# Allegro board 6089-103-RevA_73.brd (continued)
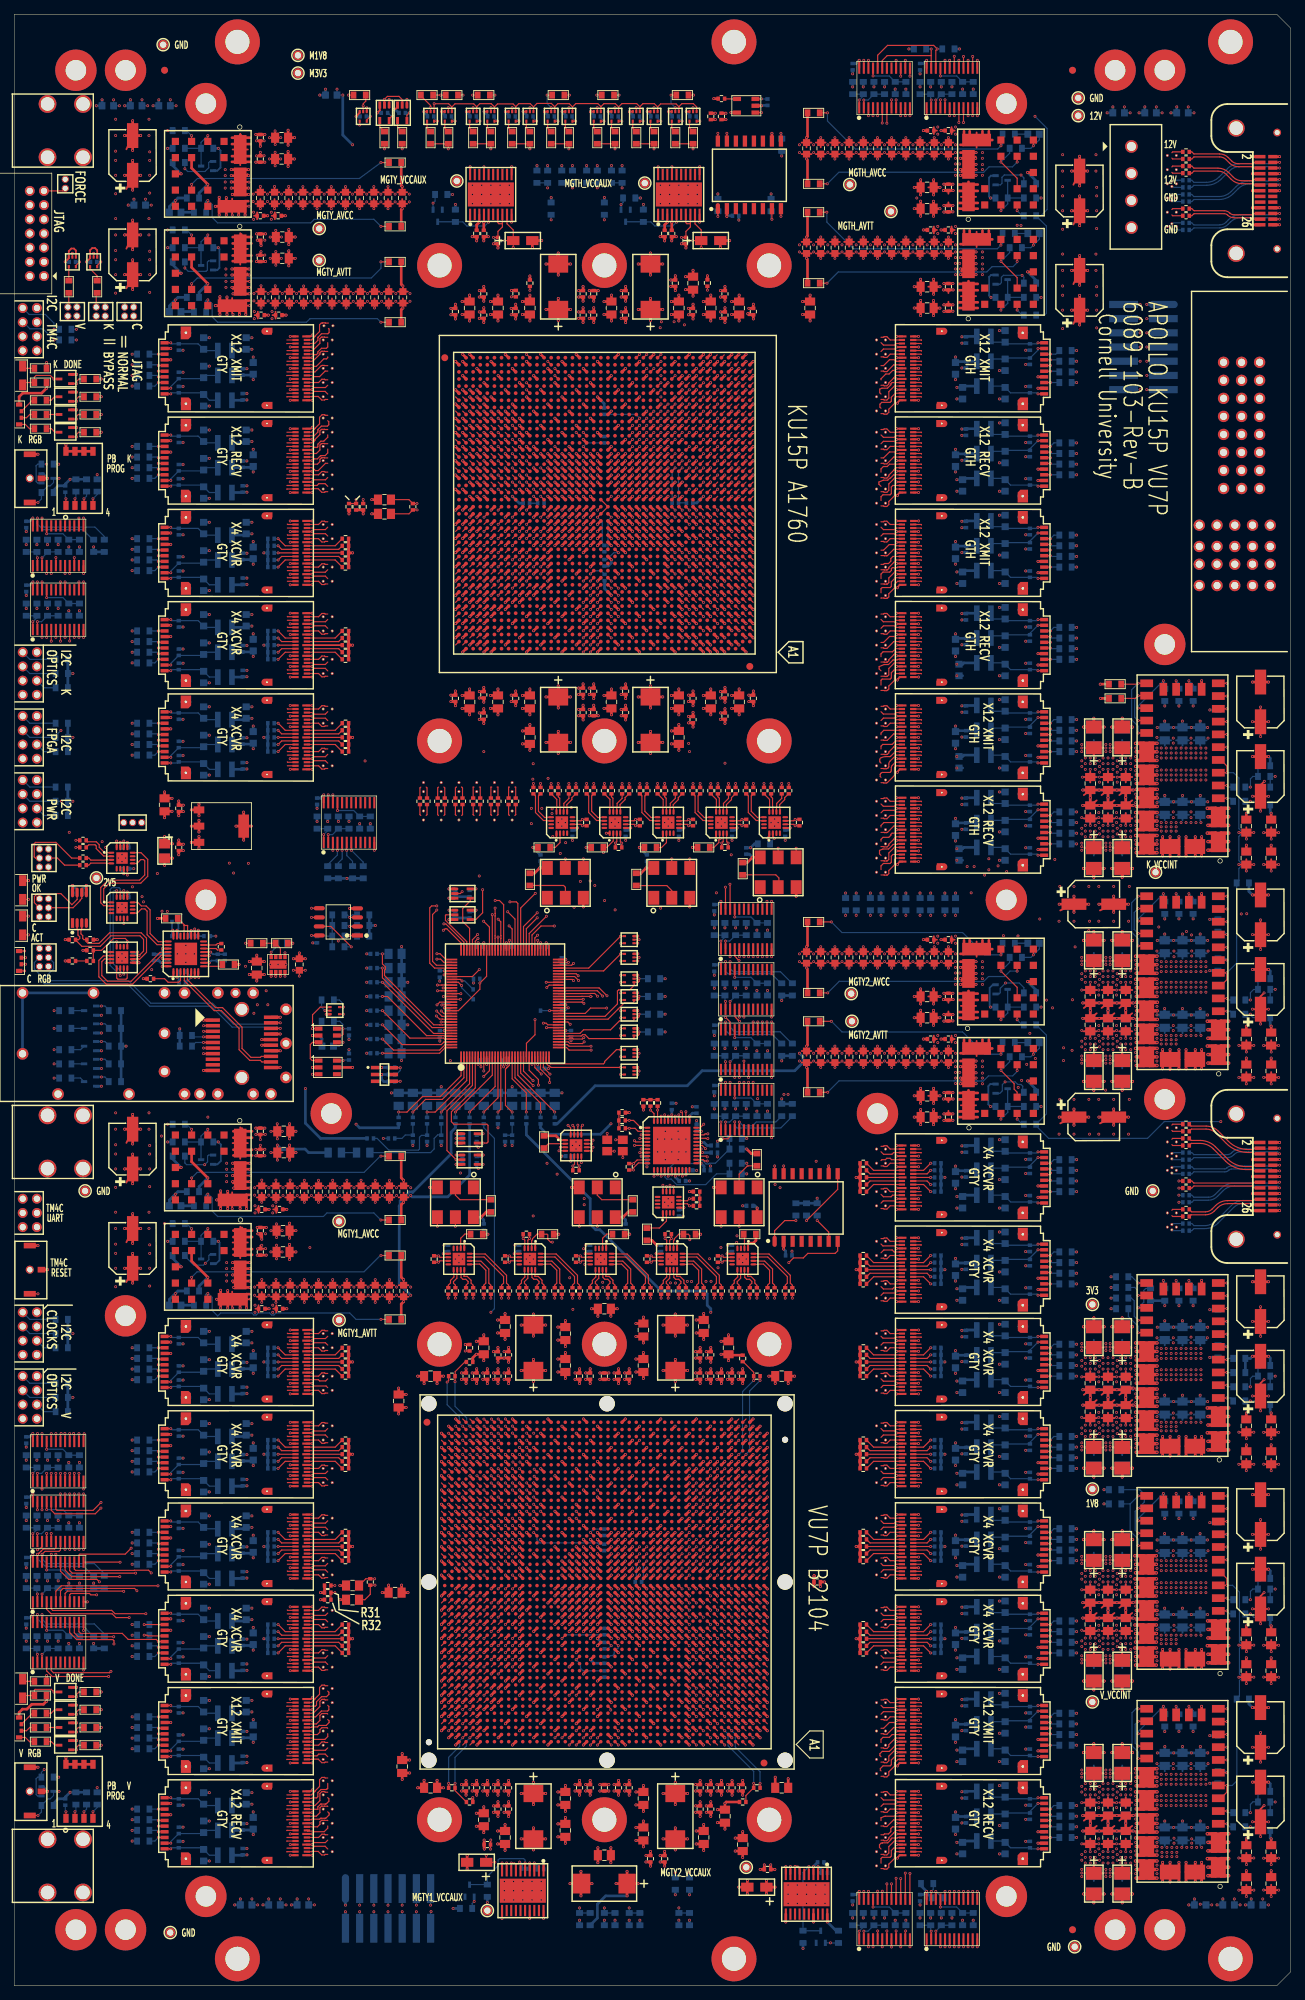
[diagram p0: board, top side]
## Routing (per net, layer and track width the routed paths; a pad name or vN(x,y) marks a point on that pad's centre or on a via; arc(x,y) is an arc through that point) (continued)
K_MGTH_AVTT_OK: length 154.4
  TOP w0.165: U52.74 71.8,149.25 v1(73.73,151.19) ; U119.9 v1(141.39,236.11)
  SIG1 w0.079: v1(141.39,236.11) 141.3,236.11 137.9,232.71 137.9,158.6 137.6,158.3 136.7,158.3 136.1,157.7 v1(135.32,157.7)
  SIG2 w0.079: v1(73.73,151.19) 98.51,151.19 99.31,151.99 129.62,151.99 131.25,153.63 131.34,153.63 131.54,153.83 131.54,153.92 v1(135.32,157.7)
  BOTTOM w0.165: R318.2 142.1,235.4 v1(141.39,236.11)
K_MGTH_VCCAUX: length 102.1
  TOP w0.165: U85.7 94.67,248.44 94.84,248.28 95.3,248.28 95.33,248.25 ; C261.1 96.85,247.39 95.97,248.27 U85.9 ; C261.1 v1(95.65,245.9) ; C261.1 v1(96.85,244.93) ; 95.33,248.25 U85.8 ; 95.33,248.25 95.33,247.82 94.7,247.2 C243.1 v1(94.06,246.35)
  TOP w0.381: v1(95.7,234.87) C246.1 v1(95.06,235.45) ; U65.T12 v1(93.17,202.93) ; U65.U10 v1(95.17,203.93) ; U65.AE10 v1(95.17,212.87) ; v1(95.7,182.43) C247.1 v1(95.06,181.85) ; U65.AD12 v1(93.17,211.87)
  SIG1 w0.15: v1(94.06,246.35) 94,246.41 94,249 93.2,249.8 91.2,249.8 88.9,252.1 PM10.1 ; v1(49.69,141.4) 48.66,142.43 48.66,158.46 55,164.8 55,165.4 56.8,167.2 92.69,167.2 94.77,169.28 94.77,173.47 v1(95.2,173.9)
  BOTTOM w0.381: R512.1 v1(49.69,141.4)
K_MGTY_AVCC: length 131.9
  TOP w0.165: U65.R32 v1(72.23,201.93) ; U65.T30 v1(74.23,202.93) ; C85.1 v1(54.7,250.4) ; U65.Y30 v1(74.23,206.93) ; U65.M30 v1(74.23,198.93) ; U65.AA32 v1(72.23,207.93) ; U65.U32 v1(72.23,203.93) ; U65.AE32 v1(72.23,212.87) ; U65.AG32 v1(72.23,214.87) ; U65.W32 v1(72.23,205.93) ; U65.AF30 v1(74.23,213.87) ; U65.L32 v1(72.23,197.93) ; U65.V30 v1(74.23,204.93)
  TOP w0.254: 42.01,251.09 C57.1 ; C57.1 42.7,250.43 ; C57.1 42.7,251.75 ; C57.1 43.39,251.09 ; C48.1 39.39,251.09 ; C48.1 38.01,251.09 ; C48.1 38.7,250.43 ; C48.1 38.7,251.75 ; 36.01,251.09 C32.1 ; C32.1 36.7,250.43 ; C32.1 37.39,251.09 ; C32.1 36.7,251.75 ; 33.82,249.4 C19.1 ; C19.1 34.25,249.88 ; C19.1 34.25,248.92 ; C18.1 34.7,251.75 ; C18.1 35.39,251.09 ; C18.1 34.01,251.09 ; C18.1 34.7,250.43 ; 52.01,251.09 C79.1 ; C79.1 53.39,251.09 ; C79.1 52.7,250.43 ; C79.1 52.7,251.75 ; 50.7,250.43 C74.1 ; C74.1 50.7,251.75 ; C74.1 50.01,251.09 ; C74.1 51.39,251.09 ; 54.01,251.09 C85.1 ; C85.1 54.7,251.75 ; C85.1 55.39,251.09 ; 46.01,251.09 C65.1 ; C65.1 47.39,251.09 ; C65.1 46.7,251.75 ; C65.1 46.7,250.43 ; 30.73,249.66 U15.3 30.73,251.8 ; 44.7,250.43 C61.1 ; C61.1 44.7,251.75 ; C61.1 45.39,251.09 ; C61.1 44.01,251.09 ; C53.1 40.7,251.75 ; C53.1 40.7,250.43 ; C53.1 41.39,251.09 ; C53.1 40.01,251.09 ; C36.1 36.75,249.88 ; C36.1 36.32,249.4 ; C36.1 36.75,248.92 ; 32.94,250.73 32.55,250.73 ; C69.1 49.39,251.09 ; C69.1 48.7,250.43 ; C69.1 48.7,251.75 ; C69.1 48.01,251.09
  TOP w0.381: v1(79.56,237.95) C177.1 v1(80.2,237.37) ; 31.65,250.73 U15.3 29.9,250.73 ; 31.65,250.73 32.55,250.73 ; 31.65,250.73 v1(31.65,249.5) ; 28.9,250.73 v1(28.35,250.73) ; 28.9,250.73 v1(28.9,252) ; 28.9,250.73 v1(28.9,249.5) ; 28.9,250.73 29.9,250.73 ; 29.9,250.73 v1(29.9,249.5) ; 29.9,250.73 v1(29.9,251.95) ; R74.2 54.56,250.26 v1(54.7,250.4) ; v1(81.7,237.37) C185.1 v1(81.06,237.95) ; v1(81.7,180.43) C188.1 v1(81.06,179.85) ; v1(72.7,234.58) C152.1 v1(71.65,235.49) ; v1(80.2,180.43) C180.1 v1(79.56,179.85) ; v1(72.7,177.72) C154.1 v1(71.65,176.81) ; 32.55,250.73 v1(32.55,249.5) ; 32.55,250.73 32.55,251.45 33,251.45
  SIG1 w0.15: v1(49.69,133.4) 49.7,133.4 50.67,134.37 50.67,135.47 48.39,137.75 48.39,158.79 54.5,164.9 54.5,165.6 56.5,167.6 73,167.6 74.67,169.28 74.67,170.69 v1(73.17,172.19)
  SIG4 w0.381: PM6.1 43,250.1 v1(42.7,250.4)
  BOTTOM w0.381: R516.1 v1(49.69,133.4)
  vias: v1(30.75,249.5) v1(33.1,250.75) v1(33.7,251.4) v1(33.75,249.9) v1(33.75,248.9) v1(34.7,250.4) v1(35.7,251.4) v1(36.25,249.9) v1(36.25,248.9) v1(36.7,250.4) v1(37.7,251.35) v1(38.7,250.4) v1(39.7,251.35) v1(40.7,250.4) v1(41.7,251.35) v1(43.7,251.35) v1(44.7,250.4) v1(45.7,251.35) v1(46.7,250.4) v1(47.7,251.35) v1(48.7,250.4) v1(49.7,251.35) v1(50.7,250.4) v1(51.7,251.35) v1(52.7,250.4) v1(53.7,251.35) v1(55.7,251.35)
K_MGTY_AVCC_OK: length 155.2
  TOP w0.165: U52.76 71,152.51 70.78,152.72 v1(69.89,152.72) ; U15.9 v1(25.01,260.69)
  SIG2 w0.079: v1(69.89,152.72) 69.3,153.31 67.1,153.31 66.68,152.9 53.63,152.9 52.52,154.01 47.39,154.01 43.24,158.16 v1(33.02,158.16)
  SIG4 w0.079: v1(33.02,158.16) 31.61,159.56 31.61,232.09 26.7,237 26.7,249.59 26.34,249.94 26.34,259.35 v1(25.01,260.69)
  BOTTOM w0.165: v1(25.01,260.69) 24.3,261.4 R589.2
K_MGTY_AVTT: length 130.6
  TOP w0.165: U65.AL36 v1(68.23,218.87) ; U65.V34 v1(70.23,204.93) ; U65.P34 v1(70.23,200.93) ; U65.M34 v1(70.23,198.93) ; U65.L36 v1(68.23,197.93) ; U65.AK34 v1(70.23,217.87) ; U65.AD34 v1(70.23,211.87) ; C87.1 v1(54.8,236.4) ; U65.V38 v1(66.23,204.93) ; U65.AG36 v1(68.23,214.87) ; U65.T34 v1(70.23,202.93) ; U65.AF34 v1(70.23,213.87) ; U65.T38 v1(66.23,202.93) ; U65.AC36 v1(68.23,210.87) ; U65.AH34 v1(70.23,215.87) ; U65.R36 v1(68.23,201.93) ; U65.U36 v1(68.23,203.93) ; U65.Y34 v1(70.23,206.93) ; U65.N36 v1(68.23,199.93) ; U65.AE36 v1(68.23,212.87) ; U65.AJ36 v1(68.23,216.87) ; U65.K34 v1(70.23,196.93) ; U65.J36 v1(68.23,195.93) ; U65.W36 v1(68.23,205.93) ; U65.AM34 v1(70.23,219.87) ; U65.AA36 v1(68.23,207.93) ; U65.AB34 v1(70.23,209.87) ; U65.Y38 v1(66.23,206.93) ; U65.AN36 v1(68.23,220.87)
  TOP w0.254: 54.11,237.09 C87.1 ; C87.1 55.49,237.09 ; C87.1 54.8,237.75 ; 30.73,237.8 U16.3 30.73,235.66 ; C58.1 42.8,237.75 ; C58.1 42.8,236.43 ; C58.1 43.49,237.09 ; C58.1 42.11,237.09 ; C49.1 39.49,237.09 ; C49.1 38.11,237.09 ; C49.1 38.8,236.43 ; C49.1 38.8,237.75 ; 46.8,236.43 C66.1 ; C66.1 46.11,237.09 ; C66.1 47.49,237.09 ; C66.1 46.8,237.75 ; 36.8,236.43 C33.1 ; C33.1 36.8,237.75 ; C33.1 36.11,237.09 ; C33.1 37.49,237.09 ; C75.1 51.49,237.09 ; C75.1 50.8,237.75 ; C75.1 50.11,237.09 ; C75.1 50.8,236.43 ; C70.1 48.8,237.75 ; C70.1 48.11,237.09 ; C70.1 48.8,236.43 ; C70.1 49.49,237.09 ; C62.1 45.49,237.09 ; C62.1 44.11,237.09 ; C62.1 44.8,237.75 ; C62.1 44.8,236.43 ; 52.8,236.43 C80.1 ; C80.1 52.8,237.75 ; C80.1 53.49,237.09 ; C80.1 52.11,237.09 ; C26.1 34.8,237.75 ; C26.1 35.49,237.09 ; C26.1 34.11,237.09 ; C26.1 34.8,236.43 ; C27.1 34.35,235.88 ; C27.1 34.35,234.92 ; C27.1 33.92,235.4 ; 33.03,236.73 32.65,236.73 ; C54.1 41.49,237.09 ; C54.1 40.8,237.75 ; C54.1 40.11,237.09 ; C54.1 40.8,236.43 ; C37.1 36.85,235.88 ; C37.1 36.85,234.92 ; C37.1 36.42,235.4
  TOP w0.381: v1(64.2,182.72) C108.1 v1(63.15,181.81) ; v1(32.65,235.5) 32.65,236.73 ; 32.65,236.73 32.65,237.45 33.1,237.45 ; 32.65,236.73 31.75,236.73 ; v1(54.8,236.4) 54.56,236.16 R76.2 ; 30,236.73 v1(30,235.5) ; 30,236.73 v1(30,237.95) ; 30,236.73 29,236.73 ; 30,236.73 U16.3 31.75,236.73 ; v1(61.56,235.45) C99.1 v1(62.2,234.87) ; v1(62.2,182.43) C100.1 v1(61.56,181.85) ; 31.75,236.73 v1(31.75,235.5) ; v1(66.2,182.93) C119.1 v1(65.56,182.35) ; 29,236.73 v1(29,235.5) ; 29,236.73 v1(28.45,236.73) v1(28.35,236.73) ; 29,236.73 v1(29,238) ; v1(66.2,234.37) C118.1 v1(65.56,234.95) ; v1(64.2,234.58) C107.1 v1(63.15,235.49)
  SIG1 w0.15: v1(49.46,172.58) 49.46,161.06 46.41,158.02 46.41,140.63 47.63,139.42 47.63,133.47 v1(49.69,131.4)
  SIG4 w0.381: v1(43.8,237.35) 42.1,239.05 42.1,239.8 43,240.7 PM2.1
  BOTTOM w0.381: v1(70.23,209.87) 71.2,208.9 R489.2 ; R517.1 v1(49.69,131.4)
  vias: v1(30.85,235.5) v1(33.2,236.75) v1(33.8,237.4) v1(33.85,235.9) v1(33.85,234.9) v1(34.8,236.4) v1(35.8,237.4) v1(36.35,235.9) v1(36.35,234.9) v1(36.8,236.4) v1(37.8,237.35) v1(38.8,236.4) v1(39.8,237.35) v1(40.8,236.4) v1(41.8,237.35) v1(42.8,236.4) v1(44.8,236.4) v1(45.8,237.35) v1(46.8,236.4) v1(47.8,237.35) v1(48.8,236.4) v1(49.8,237.35) v1(50.8,236.4) v1(51.8,237.35) v1(52.8,236.4) v1(53.8,237.35) v1(55.8,237.35)
K_MGTY_AVTT_OK: length 140.8
  TOP w0.165: U16.9 v1(25.01,246.69) ; v1(69.57,151.33) 70.6,150.3 U52.77
  SIG2 w0.079: v1(69.57,151.33) 65.36,151.33 65.25,151.22 52.29,151.22 50.41,153.09 46.51,153.09 45.23,154.37 34.15,154.37 v1(30.33,158.19)
  SIG4 w0.079: v1(25.01,246.69) 25.01,246.49 25.7,245.79 25.7,235.45 29.3,231.85 29.3,159.22 v1(30.33,158.19)
  BOTTOM w0.165: v1(25.01,246.69) 24.3,247.4 R592.2
K_MGTY_VCCAUX: length 80.4
  TOP w0.165: C150.1 v1(69.15,245.9) ; C150.1 70.35,247.39 69.47,248.27 U51.9 ; C150.1 v1(70.35,244.93) ; 68.83,248.25 68.8,248.28 68.34,248.28 68.17,248.44 U51.7 ; 68.83,248.25 U51.8 ; 68.83,248.25 68.83,247.82 68.2,247.2 C129.1 v1(67.56,246.35)
  TOP w0.381: v1(70.06,235.45) C146.1 v1(70.7,234.87) ; v1(70.06,181.85) C147.1 v1(70.7,182.43) ; U65.P30 v1(74.23,200.93) ; U65.AD30 v1(74.23,211.87) ; U65.N32 v1(72.23,199.93) ; U65.AC32 v1(72.23,210.87)
  SIG1 w0.079: v1(49.69,135.4) 49.58,135.4 48.15,136.84 48.15,153.86 48.15,159.25 52.85,163.96 52.85,164.56 56.14,167.84 65.54,167.84 66.2,168.5 v1(66.2,173.9)
  SIG4 w0.079: v1(67.56,246.35) 65.76,248.15 65.43,248.15 65,248.58 65,249.7 62.4,252.3 PM7.1
  BOTTOM w0.381: R515.1 v1(49.69,135.4)
K_OPTICS_I2C_SCL: length 172.4
  TOP w0.165: 3.92,196.7 v1(3.92,197.8) ; U100.22 v1(120.42,271.3)
  SIG1 w0.079: J3.2 3.2,190.66 3.92,191.38 3.92,197.79 v1(3.92,197.8) 5,197.8 6.8,199.6 6.8,220.54 8.65,222.39 8.89,222.39 16.28,229.78 16.28,230.04 25.14,238.9 36.9,238.9 39.24,241.25 51.42,241.25 63.77,253.59 63.77,254.67 67.3,258.2 99.14,258.2 105.21,264.28 105.61,264.28 111.5,270.17 119.29,270.17 v1(120.42,271.3)
K_OPTICS_I2C_SDA: length 174.7
  TOP w0.165: U100.23 v1(119.78,271.3) ; U2.23 v1(3.27,197.8)
  SIG1 w0.079: J3.4 2.21,186.89 2.21,196.74 v1(3.27,197.8) 3.27,198.57 5.5,200.8 5.5,221.8 25.09,241.39 36.31,241.39 36.63,241.71 48.52,241.71 66.31,259.5 98.43,259.5 109.46,270.53 119,270.53 v1(119.78,271.3)
K_TCK_1V8: length 45.2
  TOP w0.165: U65.AK15 v1(90.17,217.87) ; R123.2 R130.2 v1(90.2,258.83)
  SIG4 w0.079: v1(90.17,217.87) 90.63,218.33 90.63,229.9 90.2,230.33 v1(90.2,258.83)
K_TDI: length 96.2
  TOP w0.165: U65.AJ15 v1(90.17,216.87)
  SIG3 w0.079: 11.56,235.26 13.21,233.62 19.71,233.62 26.62,240.53 55.37,240.53 62.93,232.97 74.61,232.97 81.37,226.22 81.57,226.02 81.57,226.01 86.06,221.52 89.28,221.52 89.54,221.26 89.54,220.64 89.3,220.4 88.88,220.4 88.7,220.22 88.7,217.63 88.88,217.44 89.6,217.44 v1(90.17,216.87)
K_TDO: length 94.6
  TOP w0.165: U65.AK16 v1(89.17,217.87)
  SIG3 w0.079: v1(89.17,217.87) 89.6,218.3 90.46,218.3 90.67,218.51 90.67,220.93 90.1,221.5 90.02,221.5 89.8,221.72 89.8,221.8 88.07,223.53 88.03,223.53 87.83,223.73 87.83,223.77 78.23,233.37 63.03,233.37 54.95,241.45 25.8,241.45 18.67,234.32 13.78,234.32 12.84,235.26
K_TMS_1V8: length 61.5
  TOP w0.165: U65.AJ17 v1(88.17,216.87) ; v1(72.7,258.83) R101.2 R98.2
  SIG4 w0.079: v1(88.17,216.87) 88.3,216.87 88.69,217.26 88.69,249.65 87.11,251.22 87.11,258.05 85.47,259.69 73.57,259.69 v1(72.7,258.83)
K_VCCINT: length 372.5
  TOP w0.254: 153.3,134.49 C408.1 ; C408.1 154.2,135.24 ; C408.1 155.1,134.49 ; C408.1 154.2,133.74 ; C427.1 156.7,141.06 ; C427.1 155.8,140.31 ; C427.1 156.7,139.56 ; C427.1 157.6,140.31 ; C418.1 156.2,131.45 ; C418.1 154.9,130.36 ; C418.1 157.5,130.36 ; 150.8,140.31 C385.1 ; C385.1 152.6,140.31 ; C385.1 151.7,139.56 ; C385.1 151.7,141.06 ; 153.3,164.49 C406.1 ; C406.1 154.2,165.24 ; C406.1 155.1,164.49 ; C406.1 154.2,163.74 ; C415.1 157.5,174.44 ; C415.1 156.2,173.35 ; C415.1 154.9,174.44 ; 152.2,173.35 C393.1 ; C393.1 150.9,174.44 ; C393.1 153.5,174.44 ; 150.8,134.49 C386.1 ; C386.1 151.7,133.74 ; C386.1 152.6,134.49 ; C386.1 151.7,135.24 ; 150.9,144.44 C396.1 ; C396.1 152.2,143.35 ; C396.1 153.5,144.44 ; C416.1 157.5,160.36 ; C416.1 154.9,160.36 ; C416.1 156.2,161.45 ; 156.2,143.35 C417.1 ; C417.1 157.5,144.44 ; C417.1 154.9,144.44 ; C397.1 153.5,130.36 ; C397.1 150.9,130.36 ; C397.1 152.2,131.45 ; C426.1 157.6,164.49 ; C426.1 155.8,164.49 ; C426.1 156.7,165.24 ; C426.1 156.7,163.74 ; C428.1 156.7,135.24 ; C428.1 155.8,134.49 ; C428.1 157.6,134.49 ; C428.1 156.7,133.74 ; 150.9,160.36 C394.1 ; C394.1 153.5,160.36 ; C394.1 152.2,161.45 ; C407.1 155.1,140.31 ; C407.1 154.2,139.56 ; C407.1 153.3,140.31 ; C407.1 154.2,141.06 ; 154.2,169.56 C405.1 ; C405.1 155.1,170.31 ; C405.1 153.3,170.31 ; C405.1 154.2,171.06 ; 155.8,170.31 C425.1 ; C425.1 156.7,169.56 ; C425.1 156.7,171.06 ; C425.1 157.6,170.31 ; C384.1 152.6,164.49 ; C384.1 151.7,163.74 ; C384.1 150.8,164.49 ; C384.1 151.7,165.24 ; C383.1 151.7,171.06 ; C383.1 152.6,170.31 ; C383.1 150.8,170.31 ; C383.1 151.7,169.56
  TOP w0.381: v1(79.56,182.85) C179.1 v1(80.2,183.43) ; 159.65,160.87 159.65,160.87 159.65,160.86 ; C164.1 v1(74.97,181.6) ; C164.1 v1(78.43,181.6) ; C164.1 v1(76.7,180.05) ; C164.1 76.7,183.1 76.69,183.11 v1(76.69,183.15) ; U65.AD17 v1(88.17,211.87) ; U65.AD21 v1(84.17,211.87) ; U65.AF17 v1(88.17,213.87) ; U65.AH17 v1(88.17,215.87) ; C163.1 v1(74.97,236.2) ; C163.1 v1(76.7,234.65) ; C163.1 v1(78.43,236.2) ; C163.1 v1(76.7,237.75) ; U65.AB23 v1(81.23,209.87) ; U65.V15 v1(90.17,204.93) ; U65.W24 v1(80.23,205.93) ; U65.U16 v1(89.17,203.93) ; U65.V25 v1(79.23,204.93) ; U65.V19 v1(86.17,204.93) ; U65.AC14 v1(91.17,210.87) ; v1(85.56,234.95) C207.1 v1(86.2,234.37) ; U65.T19 v1(86.17,202.93) ; U65.U20 v1(85.17,203.93) ; U65.AD15 v1(90.17,211.87) ; U65.U22 v1(82.23,203.93) ; U65.AA18 v1(87.17,207.93) ; U65.AE18 v1(87.17,212.87) ; U65.W22 v1(82.23,205.93) ; v1(71.65,181.81) C153.1 v1(72.7,182.72) ; U65.W16 v1(89.17,205.93) ; C223.1 v1(89.7,234.65) ; C223.1 v1(87.97,236.2) ; C223.1 v1(91.43,236.2) ; C223.1 v1(89.7,237.75) ; 159.64,143.88 159.65,143.87 159.65,143.87 ; U65.AG24 v1(80.23,214.87) ; U65.AB17 v1(88.17,209.87) ; v1(81.06,182.85) C187.1 v1(81.7,183.43) ; U65.T25 v1(79.23,202.93) ; U65.AH23 v1(81.23,215.87) ; U65.AE26 v1(78.23,212.87) ; U65.AG26 v1(78.23,214.87) ; U65.W26 v1(78.23,205.93) ; v1(86.2,183.43) C208.1 v1(85.56,182.85) ; v1(80.2,234.37) C178.1 v1(79.56,234.95) ; U65.AD23 v1(81.23,211.87) ; U65.AE14 v1(91.17,212.87) ; U65.AE22 v1(82.23,212.87) ; U65.AH15 v1(90.17,215.87) ; v1(83.15,181.81) C199.1 v1(84.2,182.72) ; U65.AA26 v1(78.23,207.93) ; U65.AA24 v1(80.23,207.93) ; 159.65,130.87 U123.26 159.65,130.88 ; U65.AF23 v1(81.23,213.87) ; C224.1 89.7,183.1 89.69,183.11 v1(89.69,183.15) ; C224.1 v1(89.7,180.05) ; C224.1 v1(91.43,181.6) ; C224.1 v1(87.97,181.6) ; U65.AG18 v1(87.17,214.87) ; U65.AG14 v1(91.17,214.87) ; U65.AB15 v1(90.17,209.87) ; U65.AG20 v1(85.17,214.87) ; U65.Y23 v1(81.23,206.93) ; U65.AE16 v1(89.17,212.87) ; U65.Y15 v1(90.17,206.93) ; U65.AB19 v1(86.17,209.87) ; U65.U18 v1(87.17,203.93) ; U65.AB25 v1(79.23,209.87) ; U65.AC20 v1(85.17,210.87) ; U65.V21 v1(84.17,204.93) ; U65.AE20 v1(85.17,212.87) ; U65.AC18 v1(87.17,210.87) ; U65.T15 v1(90.17,202.93) ; U65.AH21 v1(84.17,215.87) ; U122.26 158.19,160.88 v1(158.19,160.87) ; U122.22 158.19,173.88 v1(158.19,173.87) ; U65.AE24 v1(80.23,212.87) ; U65.AF25 v1(79.23,213.87) ; U65.AD19 v1(86.17,211.87) ; U65.AA16 v1(89.17,207.93) ; U65.T21 v1(84.17,202.93) ; U65.T17 v1(88.17,202.93) ; U65.AC26 v1(78.23,210.87) ; U65.Y25 v1(79.23,206.93) ; U65.AA20 v1(85.17,207.93) ; U65.AH19 v1(86.17,215.87) ; U65.U24 v1(80.23,203.93) ; U65.AA14 v1(91.17,207.93) ; U65.AG16 v1(89.17,214.87) ; v1(84.2,234.58) C198.1 v1(83.15,235.49) ; U65.T23 v1(81.23,202.93) ; R191.2 v1(153.1,183.4) ; U65.AG22 v1(82.23,214.87) ; U65.W14 v1(91.17,205.93) ; U65.Y19 v1(86.17,206.93) ; U65.Y17 v1(88.17,206.93) ; v1(93.7,182.72) C239.1 v1(92.65,181.81) ; U65.V23 v1(81.23,204.93) ; U65.W18 v1(87.17,205.93) ; U65.AF19 v1(86.17,213.87) ; U65.W20 v1(85.17,205.93) ; U65.U14 v1(91.17,203.93) ; v1(81.06,234.95) C186.1 v1(81.7,234.37) ; U65.AC16 v1(89.17,210.87) ; U65.AF15 v1(90.17,213.87) ; U65.AF21 v1(84.17,213.87) ; U65.AD25 v1(79.23,211.87) ; U65.AH25 v1(79.23,215.87) ; U65.V17 v1(88.17,204.93) ; U65.U26 v1(78.23,203.93) ; U65.AC24 v1(80.23,210.87)
  TOP w0.5: 159.64,174.69 159.26,175.06 v1(158.09,175.06) ; 159.64,174.69 160.02,175.07 v1(161.1,175.07) ; 159.64,174.69 159.64,173.87 ; 159.65,130.05 159.27,129.68 v1(158.19,129.68) ; 159.65,130.05 160.03,129.67 v1(161.1,129.67) ; 159.65,130.05 159.65,130.88 ; v1(161.12,165.32) 160.03,165.32 159.65,164.94 ; v1(158.19,169.41) 159.27,169.41 159.65,169.78 ; 159.65,164.12 U122.25 159.65,164.94 ; 159.65,164.12 v1(158.19,164.12) ; 159.65,164.12 159.65,163.29 ; 159.65,164.12 v1(161.1,164.12) ; v1(161.1,162.91) 160.03,162.91 159.65,163.29 ; v1(158.09,132.08) 159.27,132.08 159.65,131.71 ; v1(158.18,172.66) 159.26,172.66 159.64,173.04 ; U123.25 159.65,134.95 ; U123.25 v1(161.1,134.12) ; U123.25 v1(158.19,134.12) ; U123.25 159.65,133.3 ; 159.65,134.95 159.28,135.32 v1(158.1,135.32) ; 159.65,134.95 160.03,135.33 v1(161.12,135.33) ; 159.65,131.71 160.03,132.09 v1(161.11,132.09) ; 159.65,131.71 159.65,130.88 ; 159.65,130.88 v1(158.19,130.88) ; 159.65,130.88 v1(161.1,130.88) ; v1(158.19,132.92) 159.27,132.92 159.65,133.3 ; 159.64,143.05 160.02,142.66 v1(161.09,142.66) ; 159.64,143.05 159.64,143.88 ; 159.64,143.05 159.26,142.67 v1(158.18,142.67) ; 159.65,161.69 159.27,162.07 v1(158.09,162.07) ; 159.65,161.69 160.03,162.07 v1(161.11,162.07) ; 159.65,161.69 159.65,160.87 ; 159.65,164.94 159.28,165.31 v1(158.1,165.31) ; 159.65,163.29 159.27,162.91 v1(158.19,162.91) ; 159.65,160.87 v1(158.19,160.87) ; 159.65,160.87 159.65,160.04 ; 159.65,160.87 v1(161.1,160.87) ; 159.65,160.04 159.27,159.66 v1(158.19,159.66) ; 159.65,160.04 160.03,159.66 v1(161.1,159.66) ; v1(161.1,145.08) 160.02,145.08 159.64,144.7 ; 159.65,133.3 160.03,132.91 v1(161.1,132.91) ; 159.65,139.79 160.03,139.41 v1(161.1,139.41) ; 159.65,139.79 159.65,140.62 ; 159.65,139.79 159.27,139.41 v1(158.19,139.41) ; 159.64,143.88 v1(158.19,143.88) ; 159.64,143.88 159.64,144.7 ; 159.64,143.88 U123.22 v1(161.09,143.88) ; 159.64,144.7 159.26,145.07 v1(158.09,145.07) ; 159.64,173.04 159.64,173.87 ; 159.64,173.04 160.02,172.66 v1(161.09,172.66) ; 159.65,169.78 160.03,169.4 v1(161.1,169.4) ; 159.65,169.78 159.65,170.61 ; 159.65,171.44 U122.23 159.65,170.61 ; 159.65,171.44 159.28,171.81 v1(158.1,171.81) ; 159.65,171.44 160.03,171.81 v1(161.12,171.81) ; 159.64,173.87 v1(158.19,173.87) ; 159.64,173.87 v1(161.09,173.87) ; v1(158.1,141.82) 159.28,141.82 159.65,141.44 ; 159.65,140.62 U123.23 159.65,141.44 ; 159.65,140.62 v1(161.1,140.62) ; 159.65,140.62 v1(158.19,140.62) ; 159.65,141.44 160.03,141.82 v1(161.12,141.82) ; 159.65,170.61 v1(158.19,170.61) ; 159.65,170.61 v1(161.1,170.61)
  PWR2 w0.254: 160.23,157.57 PM9.1 ; PM9.1 161.78,156.9 ; PM9.1 160.23,156.23 ; PM9.1 160.9,156.02 ; PM9.1 161.57,157.57 ; PM9.1 160.9,157.78 ; PM9.1 161.57,156.23 ; PM9.1 160.02,156.9
  BOTTOM w0.254: C519.1 163.1,145.49 ; C519.1 162.2,144.74 ; C519.1 161.3,145.49 ; 150.9,144.44 C396.1 ; C396.1 153.5,144.44 ; C396.1 152.2,145.53 ; C396.1 152.2,143.35 ; C415.1 156.2,175.53 ; C415.1 156.2,173.35 ; C415.1 154.9,174.44 ; C415.1 157.5,174.44 ; C551.1 155.1,164.48 ; C551.1 153.29,164.49 ; C551.1 154.19,163.74 ; C551.1 154.2,165.24 ; 150.8,134.49 C386.1 ; C386.1 152.6,134.49 ; C386.1 151.7,135.24 ; C386.1 151.7,133.74 ; C508.1 165.6,164.99 ; C508.1 164.7,164.24 ; C508.1 163.8,164.99 ; 154.2,169.56 C405.1 ; C405.1 154.2,171.06 ; C405.1 155.1,170.31 ; C405.1 153.3,170.31 ; C428.1 156.7,135.24 ; C428.1 156.7,133.74 ; C428.1 155.8,134.49 ; C428.1 157.6,134.49 ; 155.8,164.48 C529.1 ; C529.1 156.7,165.24 ; C529.1 156.7,163.74 ; C529.1 157.6,164.49 ; 154.9,160.36 C416.1 ; C416.1 156.2,161.45 ; C416.1 156.2,159.27 ; C416.1 157.5,160.36 ; 155.8,170.31 C425.1 ; C425.1 156.7,169.56 ; C425.1 156.7,171.06 ; C425.1 157.6,170.31 ; 153.29,140.31 C552.1 ; C552.1 154.19,141.06 ; C552.1 155.1,140.32 ; C552.1 154.2,139.56 ; 161.3,175.49 C517.1 ; C517.1 162.2,174.74 ; C517.1 163.1,175.49 ; C417.1 156.2,145.53 ; C417.1 154.9,144.44 ; C417.1 156.2,143.35 ; C417.1 157.5,144.44 ; C481.1 168.1,175.49 ; C481.1 166.3,175.49 ; C481.1 167.2,174.74 ; 164.7,144.74 C509.1 ; C509.1 163.8,145.49 ; C509.1 165.6,145.49 ; 156.7,139.56 C530.1 ; C530.1 157.6,140.31 ; C530.1 156.7,141.06 ; C530.1 155.8,140.32 ; C520.1 163.1,134.99 ; C520.1 161.3,134.99 ; C520.1 162.2,134.24 ; 167.2,144.74 C483.1 ; C483.1 168.1,145.49 ; C483.1 166.3,145.49 ; C549.1 154.21,135.24 ; C549.1 153.3,134.49 ; C549.1 154.21,133.74 ; C549.1 155.11,134.49 ; 167.2,164.24 C482.1 166.3,164.99 ; C570.1 152.6,164.48 ; C570.1 150.79,164.49 ; C570.1 151.69,163.74 ; C570.1 151.7,165.24 ; 150.9,174.44 C393.1 ; C393.1 153.5,174.44 ; C393.1 152.2,173.35 ; C393.1 152.2,175.53 ; 150.8,140.31 C385.1 ; C385.1 151.7,141.06 ; C385.1 152.6,140.31 ; C385.1 151.7,139.56 ; C397.1 153.5,130.36 ; C397.1 152.2,129.27 ; C397.1 152.2,131.45 ; C397.1 150.9,130.36 ; C383.1 152.6,170.31 ; C383.1 151.7,169.56 ; C383.1 151.7,171.06 ; C383.1 150.8,170.31 ; 164.7,134.24 C510.1 ; C510.1 165.6,134.99 ; C510.1 163.8,134.99 ; 150.9,160.36 C394.1 ; C394.1 152.2,159.27 ; C394.1 152.2,161.45 ; C394.1 153.5,160.36 ; 164.7,174.74 C507.1 ; C507.1 163.8,175.49 ; C507.1 165.6,175.49 ; C518.1 163.1,164.99 ; C518.1 162.2,164.24 ; C518.1 161.3,164.99 ; 156.2,129.27 C418.1 ; C418.1 154.9,130.36 ; C418.1 157.5,130.36 ; C418.1 156.2,131.45 ; 167.2,134.24 C484.1 166.3,134.99
  BOTTOM w0.381: R513.1 v1(49.69,139.4) ; R482.1 v1(77.2,256.47)
  vias: v1(150.5,174.9) v1(150.5,174.4) v1(150.5,173.9) v1(150.5,172.6) v1(150.5,171.8) v1(150.5,164.6) v1(150.5,163.1) v1(150.5,162.3) v1(150.5,161) v1(150.5,160.5) v1(150.5,160) v1(150.5,144.9) v1(150.5,144.4) v1(150.5,143.9) v1(150.5,142.6) v1(150.5,141.8) v1(150.5,140.3) v1(150.5,134.6) v1(150.5,133.1) v1(150.5,132.3) v1(150.5,131) v1(150.5,130.5) v1(150.5,130) v1(150.6,170.3) v1(151,173) v1(151,172.2) v1(151,171.4) v1(151,163.5) v1(151,162.7) v1(151,161.9) v1(151,143) v1(151,142.2) v1(151,141.4) v1(151,133.5) v1(151,132.7) v1(151,131.9) v1(151.7,173) v1(151.7,172.2) v1(151.7,171.4) v1(151.7,163.5) v1(151.7,162.7) v1(151.7,161.9) v1(151.7,143) v1(151.7,142.2) v1(151.7,141.4) v1(151.7,133.5) v1(151.7,132.7) v1(151.7,131.9) v1(152.4,173) v1(152.4,172.2) v1(152.4,171.4) v1(152.4,163.5) v1(152.4,162.7) v1(152.4,161.9) v1(152.4,143) v1(152.4,142.2) v1(152.4,141.4) v1(152.4,133.5) v1(152.4,132.7) v1(152.4,131.9) v1(152.9,165.3) v1(152.9,164.6) v1(152.9,163.9) v1(152.9,141) v1(152.9,140.3) v1(152.9,139.6) v1(152.9,135.3) v1(152.9,134.6) v1(152.9,133.9) v1(153,172.6) v1(153,171.8) v1(153,171) v1(153,170.3) v1(153,169.6) v1(153,163.1) v1(153,162.3) v1(153,142.6) v1(153,141.8) v1(153,133.1) v1(153,132.3) v1(153.5,173) v1(153.5,172.2) v1(153.5,171.4) v1(153.5,163.5) v1(153.5,162.7) v1(153.5,161.9) v1(153.5,143) v1(153.5,142.2) v1(153.5,141.4) v1(153.5,133.5) v1(153.5,132.7) v1(153.5,131.9) v1(153.9,174.9) v1(153.9,174.4) v1(153.9,173.9) v1(153.9,161) v1(153.9,160.5) v1(153.9,160) v1(153.9,144.9) v1(153.9,144.4) v1(153.9,143.9) v1(153.9,131) v1(153.9,130.5) v1(153.9,130) v1(154.2,173) v1(154.2,172.2) v1(154.2,171.4) v1(154.2,163.5) v1(154.2,162.7) v1(154.2,161.9) v1(154.2,143) v1(154.2,142.2) v1(154.2,141.4) v1(154.2,133.5) v1(154.2,132.7) v1(154.2,131.9) v1(154.5,174.9) v1(154.5,174.4) v1(154.5,173.9) v1(154.5,161) v1(154.5,160.5) v1(154.5,160) v1(154.5,144.9) v1(154.5,144.4) v1(154.5,143.9) v1(154.5,131) v1(154.5,130.5) v1(154.5,130) v1(154.9,173) v1(154.9,172.2) v1(154.9,171.4) v1(154.9,163.5) v1(154.9,162.7) v1(154.9,161.9) v1(154.9,143) v1(154.9,142.2) v1(154.9,141.4) v1(154.9,133.5) v1(154.9,132.7) v1(154.9,131.9) v1(155.4,165.3) v1(155.4,164.6) v1(155.4,163.9) v1(155.4,141) v1(155.4,140.3) v1(155.4,139.6) v1(155.4,135.3) v1(155.4,134.6) v1(155.4,133.9) v1(155.5,172.6) v1(155.5,171.8) v1(155.5,171) v1(155.5,170.3) v1(155.5,169.6) v1(155.5,163.1) v1(155.5,162.3) v1(155.5,142.6) v1(155.5,141.8) v1(155.5,133.1) v1(155.5,132.3) v1(156,173) v1(156,172.2) v1(156,171.4) v1(156,163.5) v1(156,162.7) v1(156,161.9) v1(156,143) v1(156,142.2) v1(156,141.4) v1(156,133.5) v1(156,132.7) v1(156,131.9) v1(156.7,173) v1(156.7,172.2) v1(156.7,171.4) v1(156.7,163.5) v1(156.7,162.7) v1(156.7,161.9) v1(156.7,143) v1(156.7,142.2) v1(156.7,141.4) v1(156.7,133.5) v1(156.7,132.7) v1(156.7,131.9) v1(157.4,173) v1(157.4,172.2) v1(157.4,171.4) v1(157.4,163.5) v1(157.4,162.7) v1(157.4,161.9) v1(157.4,143) v1(157.4,142.2) v1(157.4,141.4) v1(157.4,133.5) v1(157.4,132.7) v1(157.4,131.9) v1(158.1,174.4) v1(158.1,173.2) v1(158.1,171.2) v1(158.1,170) v1(158.1,164.7) v1(158.1,163.5) v1(158.1,161.4) v1(158.1,160.2) v1(158.1,144.5) v1(158.1,143.3) v1(158.1,141.2) v1(158.1,140) v1(158.1,134.7) v1(158.1,133.5) v1(158.1,131.5) v1(158.1,130.3) v1(161.1,175.9) v1(161.1,174.4) v1(161.1,173.2) v1(161.1,171.2) v1(161.1,170) v1(161.1,164.7) v1(161.1,163.5) v1(161.1,161.4) v1(161.1,160.2) v1(161.1,145.8) v1(161.1,144.5) v1(161.1,143.3) v1(161.1,141.2) v1(161.1,140) v1(161.1,134.7) v1(161.1,133.5) v1(161.1,131.5) v1(161.1,130.3) v1(161.7,174.4) v1(161.7,173.7) v1(161.7,173) v1(161.7,171.3) v1(161.7,170.6) v1(161.7,169.9) v1(161.7,163.9) v1(161.7,163.3) v1(161.7,162.7) v1(161.7,144.3) v1(161.7,143.6) v1(161.7,142.9) v1(161.7,141.4) v1(161.7,140.7) v1(161.7,140) v1(161.7,133.9) v1(161.7,133.3) v1(161.7,132.7) v1(162.4,174.4) v1(162.4,173.7) v1(162.4,173) v1(162.4,171.3) v1(162.4,170.6) v1(162.4,169.9) v1(162.4,163.9) v1(162.4,163.3) v1(162.4,162.7) v1(162.4,144.3) v1(162.4,143.6) v1(162.4,142.9) v1(162.4,141.4) v1(162.4,140.7) v1(162.4,140) v1(162.4,133.9) v1(162.4,133.3) v1(162.4,132.7) v1(163.1,174.4) v1(163.1,173.7) v1(163.1,173) v1(163.1,171.3) v1(163.1,170.6) v1(163.1,169.9) v1(163.1,163.9) v1(163.1,163.3) v1(163.1,162.7) v1(163.1,144.3) v1(163.1,143.6) v1(163.1,142.9) v1(163.1,141.4) v1(163.1,140.7) v1(163.1,140) v1(163.1,133.9) v1(163.1,133.3) v1(163.1,132.7) v1(163.4,175.8) v1(163.4,175.1) v1(163.4,165.4) v1(163.4,164.6) v1(163.4,135.3) v1(163.4,134.6) v1(163.5,145.8) v1(163.5,145) v1(163.8,174.4) v1(163.8,173.7) v1(163.8,173) v1(163.8,171.3) v1(163.8,170.6) v1(163.8,169.9) v1(163.8,163.9) v1(163.8,163.3) v1(163.8,162.7) v1(163.8,144.3) v1(163.8,143.6) v1(163.8,142.9) v1(163.8,141.4) v1(163.8,140.7) v1(163.8,140) v1(163.8,133.9) v1(163.8,133.3) v1(163.8,132.7) v1(164.5,174.4) v1(164.5,173.7) v1(164.5,173) v1(164.5,171.3) v1(164.5,170.6) v1(164.5,169.9) v1(164.5,163.9) v1(164.5,144.3) v1(164.5,143.6) v1(164.5,142.9) v1(164.5,141.4) v1(164.5,140.7) v1(164.5,140) v1(164.5,133.9) v1(165.2,174.4) v1(165.2,173.7) v1(165.2,173) v1(165.2,171.3) v1(165.2,170.6) v1(165.2,169.9) v1(165.2,163.9) v1(165.2,144.3) v1(165.2,143.6) v1(165.2,142.9) v1(165.2,141.4) v1(165.2,140.7) v1(165.2,140) v1(165.2,133.9) v1(165.9,175.8) v1(165.9,175.1) v1(165.9,174.4) v1(165.9,173.7) v1(165.9,173) v1(165.9,171.3) v1(165.9,170.6) v1(165.9,169.9) v1(165.9,165.4) v1(165.9,164.6) v1(165.9,163.9) v1(165.9,144.3) v1(165.9,143.6) v1(165.9,142.9) v1(165.9,141.4) v1(165.9,140.7) v1(165.9,140) v1(165.9,135.3) v1(165.9,134.6) v1(165.9,133.9) v1(166,145.8) v1(166,145.1) v1(166.6,174.4) v1(166.6,173.7) v1(166.6,173) v1(166.6,171.3) v1(166.6,170.6) v1(166.6,169.9) v1(166.6,163.9) v1(166.6,144.3) v1(166.6,143.6) v1(166.6,142.9) v1(166.6,141.4) v1(166.6,140.7) v1(166.6,140) v1(166.6,133.9) v1(167.3,174.4) v1(167.3,173.7) v1(167.3,173) v1(167.3,171.3) v1(167.3,170.6) v1(167.3,169.9) v1(167.3,163.9) v1(167.3,144.3) v1(167.3,143.6) v1(167.3,142.9) v1(167.3,141.4) v1(167.3,140.7) v1(167.3,140) v1(167.3,133.9) v1(168,174.4) v1(168,173.7) v1(168,173) v1(168,171.3) v1(168,170.6) v1(168,169.9) v1(168,144.3) v1(168,143.6) v1(168,142.9) v1(168,141.4) v1(168,140.7) v1(168,140) v1(168.3,175.8) v1(168.3,145.8)